# KiCad board smoothiev2-prime.kicad_pcb
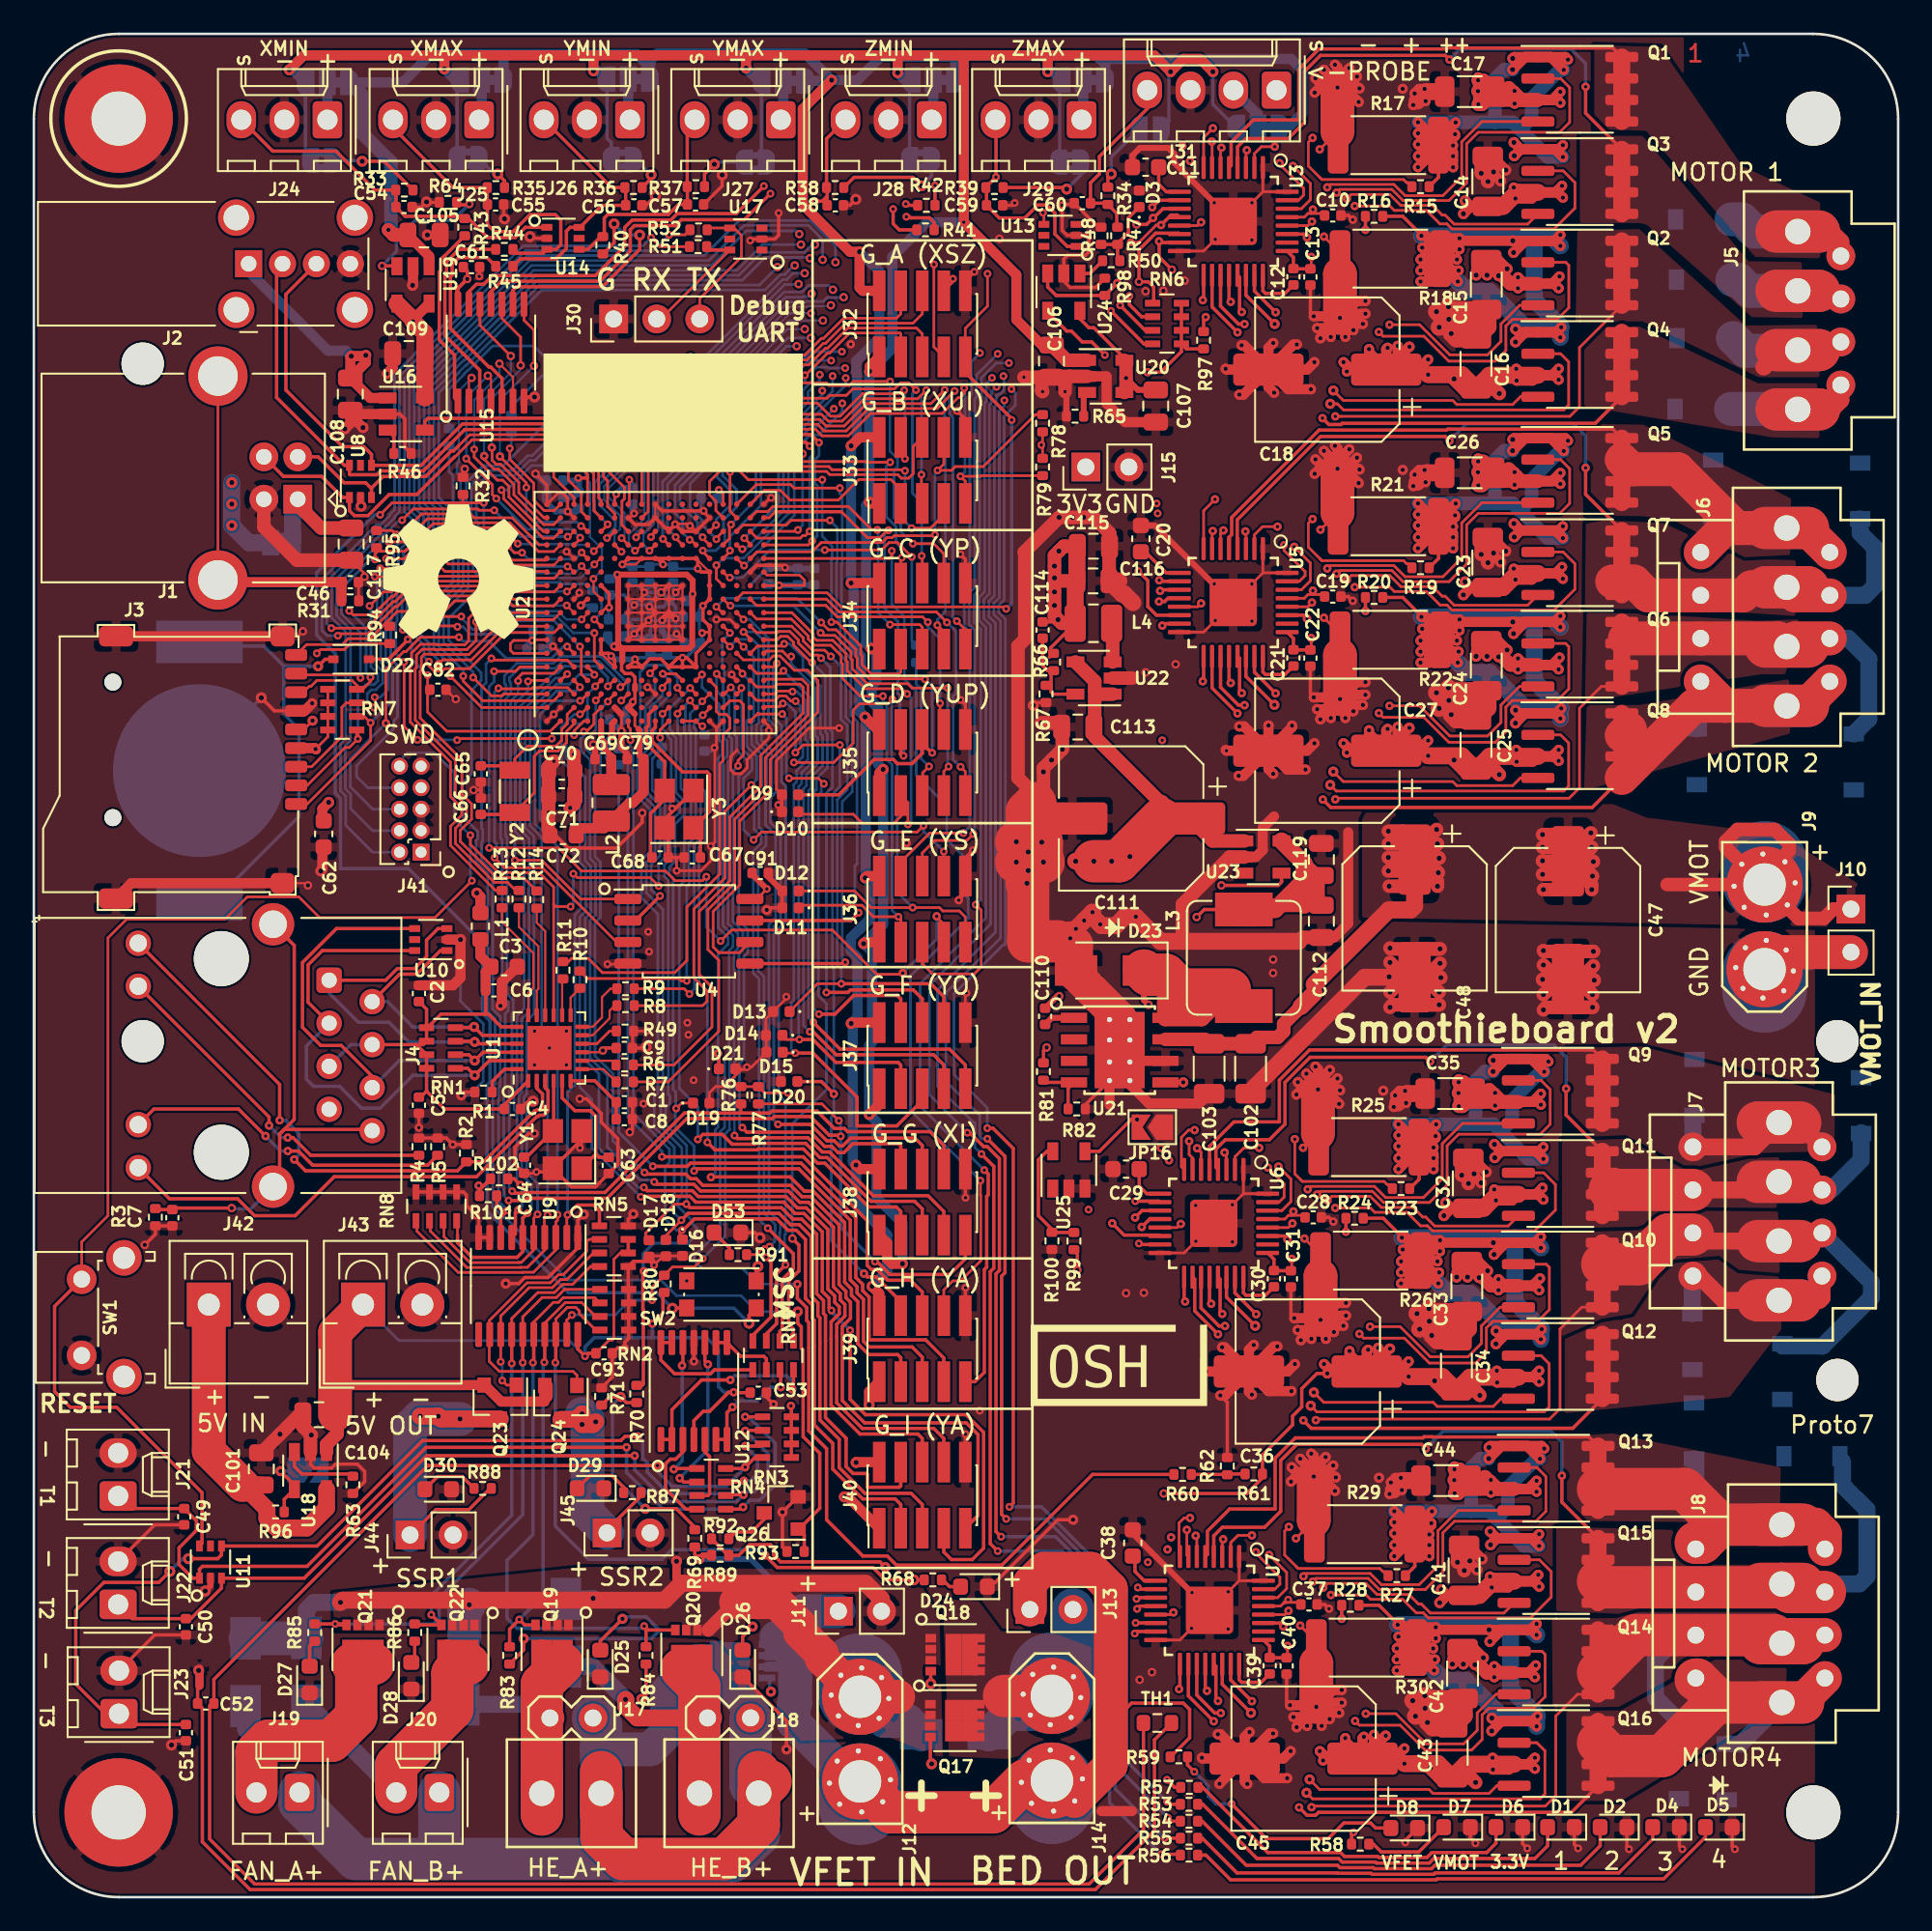
[diagram p0: board, top side]
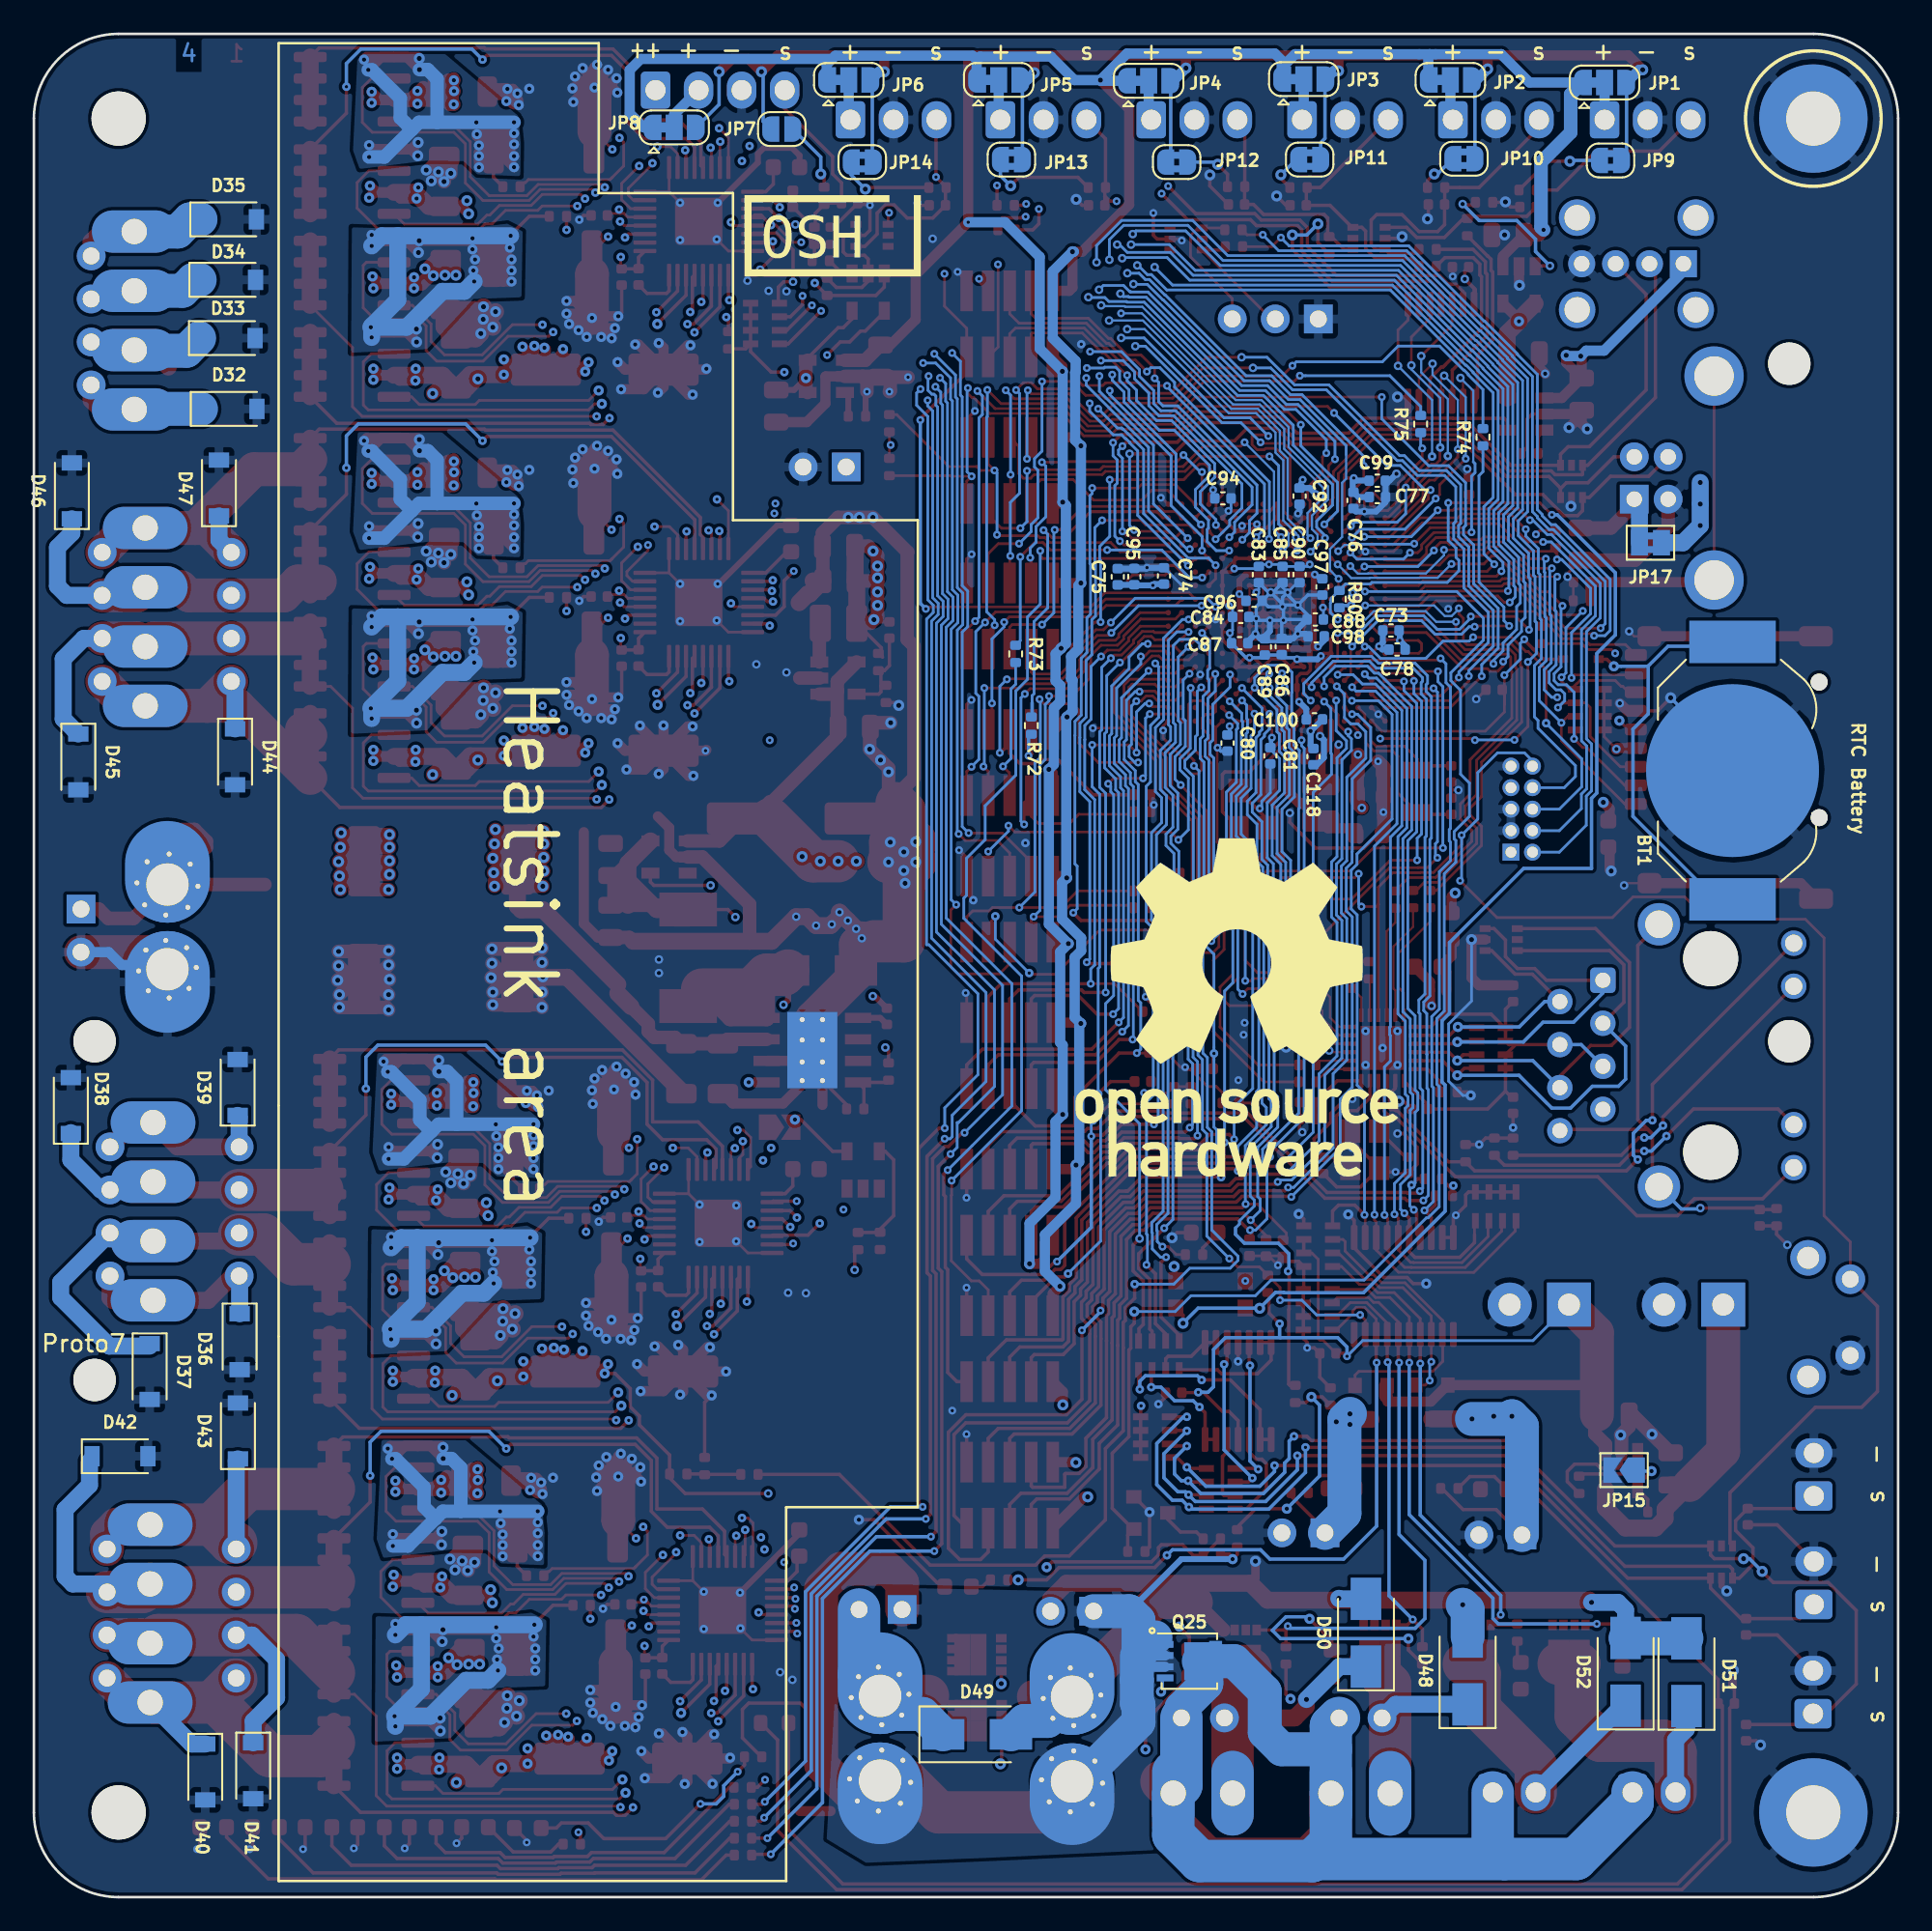
[diagram p1: board, bottom side, seen from below]

Outline 110 x 110 mm; copper layers: Top, In1.Cu (plane), In2.Cu (plane), Bottom. Coordinates in mm from the lower left corner of the outline.
Outline path: 0,105 arc(1.46,108.54) 5,110 105,110 arc(108.54,108.54) 110,105 110,5 arc(108.54,1.46) 105,0 5,0 arc(1.46,1.46) 0,5 0,105

## Placement (name value [footprint] x y rotation side)
BT1  DNP  [BatteryHolder_LINX_BAT-HLD-012-SMT]  9.77 66.5 90 bottom
C1  470p  [C_0402_1005Metric]  34.84 46.93 0 top
C2  100n  [C_0402_1005Metric]  22.72 53.35 90 top
C3  10u  [C_0603_1608Metric]  27.75 54.93 0 top
C4  100n  [C_0402_1005Metric]  28.24 46.53 0 top
C5  100n  [C_0402_1005Metric]  22.72 46.75 270 top
C6  100n  [C_0402_1005Metric]  27.14 53.53 0 top
C7  DNP  [C_0402_1005Metric]  8.17 40.11 270 top
C8  1u  [C_0402_1005Metric]  34.84 45.93 0 top
C9  100n  [C_0402_1005Metric]  34.84 50.13 0 top
C10  1u  [C_0402_1005Metric]  76.64 99.28 0 top
C11  10u  [C_0603_1608Metric]  65.6 102.13 180 top
C12  100n  [C_0402_1005Metric]  75.32 95.65 90 top
C13  1u  [C_0402_1005Metric]  74.32 95.66 270 top
C14  10u  [C_1206_3216Metric]  85.79 101.29 90 top
C15  10u  [C_1206_3216Metric]  85.7 95.2 270 top
C16  10u  [C_1206_3216Metric]  85.09 90.52 90 top
C17  10u  [C_1206_3216Metric]  84.72 106.59 180 top
C18  CP  [CP_Elec_8x11.9]  76.32 90.18 180 top
C19  1u  [C_0402_1005Metric]  76.64 76.78 0 top
C20  10u  [C_0603_1608Metric]  65.32 80.2 90 top
C21  100n  [C_0402_1005Metric]  75.32 73.15 90 top
C22  1u  [C_0402_1005Metric]  74.32 73.16 270 top
C23  10u  [C_1206_3216Metric]  85.79 78.79 90 top
C24  10u  [C_1206_3216Metric]  85.7 72.7 270 top
C25  10u  [C_1206_3216Metric]  85.09 68.02 90 top
C26  10u  [C_1206_3216Metric]  84.72 84.09 180 top
C27  CP  [CP_Elec_8x11.9]  76.32 67.68 180 top
C28  1u  [C_0402_1005Metric]  75.49 40.13 0 top
C29  10u  [C_0603_1608Metric]  64.45 42.98 180 top
C30  100n  [C_0402_1005Metric]  74.17 36.5 90 top
C31  1u  [C_0402_1005Metric]  73.17 36.51 270 top
C32  10u  [C_1206_3216Metric]  84.64 42.14 90 top
C33  10u  [C_1206_3216Metric]  84.55 36.05 270 top
C34  10u  [C_1206_3216Metric]  83.94 31.37 90 top
C35  10u  [C_1206_3216Metric]  83.57 47.44 180 top
C36  CP  [CP_Elec_8x11.9]  75.17 31.03 180 top
C37  1u  [C_0402_1005Metric]  75.24 17.28 0 top
C38  10u  [C_0603_1608Metric]  64.84 20.91 90 top
C39  100n  [C_0402_1005Metric]  73.92 13.65 90 top
C40  1u  [C_0402_1005Metric]  72.92 13.66 270 top
C41  10u  [C_1206_3216Metric]  84.39 19.29 90 top
C42  10u  [C_1206_3216Metric]  84.3 13.2 270 top
C43  10u  [C_1206_3216Metric]  83.69 8.52 90 top
C44  10u  [C_1206_3216Metric]  83.32 24.59 180 top
C45  CP  [CP_Elec_8x11.9]  74.92 8.18 180 top
C46  DNP  [C_0402_1005Metric]  18.67 77.63 0 top
C47  CP  [CP_Elec_8x11.9]  90.52 57.68 270 top
C48  CP  [CP_Elec_8x11.9]  81.47 57.78 270 top
C49  1u  [C_0402_1005Metric]  8.87 22.46 270 top
C50  1u  [C_0402_1005Metric]  8.97 15.96 270 top
C51  1u  [C_0402_1005Metric]  8.97 9.71 270 top
C52  1u  [C_0402_1005Metric]  10.14 11.43 180 top
C53  1u  [C_0402_1005Metric]  42.74 29.78 0 top
C54  100n  [C_0402_1005Metric]  21.84 99.78 0 top
C55  100n  [C_0402_1005Metric]  27.24 99.93 0 top
C56  100n  [C_0402_1005Metric]  35.4 99.88 0 top
C57  100n  [C_0402_1005Metric]  39.04 99.93 0 top
C58  100n  [C_0402_1005Metric]  47.29 99.88 0 top
C59  100n  [C_0402_1005Metric]  56.69 99.88 0 top
C60  100n  [C_0402_1005Metric]  61.86 100 180 top
C61  1u  [C_0402_1005Metric]  25.82 96.23 0 top
C62  10u  [C_0603_1608Metric]  17.1 62.77 270 top
C63  5.6p  [C_0402_1005Metric]  33.92 43.2 270 top
C64  5.6p  [C_0402_1005Metric]  28.92 43.21 270 top
C65  5.6p  [C_0402_1005Metric]  26.37 66.31 270 top
C66  5.6p  [C_0402_1005Metric]  26.37 64.4 90 top
C67  5.6p  [C_0402_1005Metric]  38.85 61.38 180 top
C68  5.6p  [C_0402_1005Metric]  36.95 61.38 0 top
C69  220p  [C_0402_1005Metric]  33.59 67.18 180 top
C70  10u  [C_0603_1608Metric]  31.14 66.48 180 top
C71  10u  [C_0603_1608Metric]  31.14 64.95 180 top
C72  10u  [C_0603_1608Metric]  31.22 62.68 180 top
C73  1u  [C_0402_1005Metric]  29.92 74.78 0 bottom
C74  1u  [C_0402_1005Metric]  43.32 78 90 bottom
C75  1u  [C_0402_1005Metric]  46.05 77.95 90 bottom
C76  1u  [C_0402_1005Metric]  32.14 82.46 270 bottom
C77  1u  [C_0402_1005Metric]  30.73 82.66 180 bottom
C78  1u  [C_0402_1005Metric]  29.57 73.66 0 bottom
C79  1u  [C_0402_1005Metric]  35.49 67.18 180 top
C80  1u  [C_0402_1005Metric]  39.57 68.14 270 bottom
C81  100n  [C_0402_1005Metric]  37.05 67.39 270 bottom
C82  1u  [C_0402_1005Metric]  23.84 71.28 0 top
C83  1u  [C_0402_1005Metric]  37.72 78.08 270 bottom
C84  1u  [C_0402_1005Metric]  38.79 75.58 180 bottom
C85  1u  [C_0402_1005Metric]  36.32 78.08 270 bottom
C86  1u  [C_0402_1005Metric]  36.37 73.83 90 bottom
C87  1u  [C_0402_1005Metric]  38.85 74.03 180 bottom
C88  1u  [C_0402_1005Metric]  34.39 75.43 0 bottom
C89  1u  [C_0402_1005Metric]  37.37 73.81 90 bottom
C90  1u  [C_0402_1005Metric]  35.32 78.08 270 bottom
C91  1u  [C_0402_1005Metric]  42.86 60.46 0 top
C92  1u  [C_0402_1005Metric]  35.32 82.71 270 bottom
C93  1u  [C_0402_1005Metric]  33.64 32.11 0 top
C94  1u  [C_0402_1005Metric]  39.84 82.58 180 bottom
C95  1u  [C_0402_1005Metric]  45.07 77.96 90 bottom
C96  1u  [C_0402_1005Metric]  38 76.53 180 bottom
C97  1u  [C_0402_1005Metric]  33.97 77.35 270 bottom
C98  1u  [C_0402_1005Metric]  34.34 74.43 0 bottom
C99  1u  [C_0402_1005Metric]  30.73 83.62 180 bottom
C100  1u  [C_0402_1005Metric]  34.44 69.53 180 bottom
C101  22u  [C_0805_2012Metric]  13.42 25.28 90 top
C102  10u  [C_1206_3216Metric]  71.8 48.91 270 top
C103  10u  [C_1206_3216Metric]  69.35 48.91 270 top
C104  22u  [C_0805_2012Metric]  16.82 28.48 180 top
C105  22u  [C_0805_2012Metric]  23.02 98.13 0 top
C106  22u  [C_0805_2012Metric]  60.05 90.68 270 top
C107  22u  [C_0805_2012Metric]  66.2 88.03 270 top
C108  22u  [C_0805_2012Metric]  18.67 88.73 270 top
C109  22u  [C_0805_2012Metric]  22.12 91.13 180 top
C110  10n  [C_0402_1005Metric]  59.67 52 270 top
C111  CP  [CP_Elec_8x11.9]  64.74 63.68 180 top
C112  22u  [C_0805_2012Metric]  75.97 57.61 270 top
C113  22u  [C_0805_2012Metric]  61.6 69.08 180 top
C114  22p  [C_0402_1005Metric]  59.52 74.81 90 top
C115  22u  [C_0805_2012Metric]  62.52 79.75 0 top
C116  22u  [C_0805_2012Metric]  62.49 77.7 0 top
C117  22u  [C_0805_2012Metric]  18.72 79.88 270 top
C118  1u  [C_0402_1005Metric]  34.49 67.33 90 bottom
C119  22u  [C_0805_2012Metric]  75.97 61.26 90 top
D1  LED  [LED_0603_1608Metric]  90.11 4.13 180 top
D2  LED  [LED_0603_1608Metric]  93.21 4.13 180 top
D3  LESD8D3.3CAT5G  [D_0402_1005Metric]  65.22 100.27 90 top
D4  LED  [LED_0603_1608Metric]  96.31 4.13 180 top
D5  LED  [LED_0603_1608Metric]  99.42 4.13 180 top
D6  LED  [LED_0603_1608Metric]  87.06 4.13 180 top
D7  LED  [LED_0603_1608Metric]  83.97 4.13 180 top
D8  LED  [LED_0603_1608Metric]  80.86 4.08 180 top
D9  LESD8D3.3CAT5G  [D_0402_1005Metric]  44.62 65.08 180 top
D10  LESD8D3.3CAT5G  [D_0402_1005Metric]  44.62 64.08 0 top
D11  LESD8D3.3CAT5G  [D_0402_1005Metric]  44.64 58.41 180 top
D12  LESD8D3.3CAT5G  [D_0402_1005Metric]  44.64 59.41 180 top
D13  LESD8D3.3CAT5G  [D_0402_1005Metric]  44.11 52.28 180 top
D14  LESD8D3.3CAT5G  [D_0402_1005Metric]  43.68 50.88 180 top
D15  LESD8D3.3CAT5G  [D_0402_1005Metric]  43.7 49.88 180 top
D16  LESD8D3.3CAT5G  [D_0402_1005Metric]  38.27 38.34 270 top
D17  LESD8D3.3CAT5G  [D_0402_1005Metric]  36.3 38.3 270 top
D18  LESD8D3.3CAT5G  [D_0402_1005Metric]  37.3 38.32 270 top
D19  LESD8D3.3CAT5G  [D_0402_1005Metric]  39.38 46.88 0 top
D20  LESD8D3.3CAT5G  [D_0402_1005Metric]  44.57 48.15 180 top
D21  LESD8D3.3CAT5G  [D_0402_1005Metric]  40.91 48.9 0 top
D22  B5817WS  [D_SOD-323]  18.72 73.08 180 top
D23  B340A  [D_SMA]  63.49 54.7 180 top
D24  LED  [LED_0603_1608Metric]  55.47 18.33 180 top
D25  LED  [LED_0603_1608Metric]  33.42 13.79 90 top
D26  LED  [LED_0603_1608Metric]  41.82 13.79 90 top
D27  LED  [LED_0603_1608Metric]  16.27 12.84 90 top
D28  LED  [LED_0603_1608Metric]  22.27 13.07 90 top
D29  LED  [LED_0603_1608Metric]  32.84 24.13 180 top
D30  LED  [LED_0603_1608Metric]  23.86 24.08 180 top
D32  SJD12C30L01  [D_SOD-123]  98.49 87.86 180 bottom
D33  SJD12C30L01  [D_SOD-123]  98.6 92.04 180 bottom
D34  SJD12C30L01  [D_SOD-123]  98.57 95.48 180 bottom
D35  SJD12C30L01  [D_SOD-123]  98.52 99.05 180 bottom
D36  SJD12C30L01  [D_SOD-123]  97.86 32.79 270 bottom
D37  SJD12C30L01  [D_SOD-123]  103.17 31.03 270 bottom
D38  SJD12C30L01  [D_SOD-123]  107.82 46.73 90 bottom
D39  SJD12C30L01  [D_SOD-123]  97.98 47.8 90 bottom
D40  SJD12C30L01  [D_SOD-123]  99.89 7.39 270 bottom
D41  SJD12C30L01  [D_SOD-123]  97.06 7.46 270 bottom
D42  SJD12C30L01  [D_SOD-123]  104.92 26.03 180 bottom
D43  SJD12C30L01  [D_SOD-123]  97.96 27.52 90 bottom
D44  SJD12C30L01  [D_SOD-123]  98.13 67.32 270 bottom
D45  SJD12C30L01  [D_SOD-123]  107.38 67.02 270 bottom
D46  SJD12C30L01  [D_SOD-123]  107.76 83.02 90 bottom
D47  SJD12C30L01  [D_SOD-123]  99.08 83.19 90 bottom
D48  B340A  [D_SMA]  25.4 13.38 90 bottom
D49  B340A  [D_SMA]  54.35 9.61 180 bottom
D50  B340A  [D_SMA]  31.4 15.61 90 bottom
D51  B340A  [D_SMA]  12.49 13.28 90 bottom
D52  B340A  [D_SMA]  16.08 13.3 90 bottom
D53  LED  [LED_0603_1608Metric]  40.92 39.23 180 top
H1  MountingHole  [MountingHole_3.2mm_M3]  105 105 0 top
H2  MountingHole  [MountingHole_3.2mm_M3]  105 5 0 top
H3  MountingHole_Pad  [MountingHole_3.2mm_M3_Pad]  5 105 0 top
H4  MountingHole_Pad  [MountingHole_3.2mm_M3_Pad]  5 5 0 top
H5  MountingHole  [Stencil8_2.5mm]  6.42 90.53 0 top
H6  MountingHole  [Stencil8_2.5mm]  6.42 50.53 0 top
H7  MountingHole  [Stencil8_2.5mm]  106.42 50.53 0 top
H8  MountingHole  [Stencil8_2.5mm]  106.42 30.53 0 top
J1  USB_B  [USB_B_OST_USB-B1HSxx_Horizontal]  15.57 82.53 180 top
J2  USB_A  [USB_A_Wuerth_614004134726_Horizontal]  12.67 96.43 0 top
J3  Micro_SD_Card_Det  [TF-01A]  8.42 66.78 0 top
J4  -  [RJ45_Hanrun_HR911105A]  17.42 54.13 270 top
J5  Screw_Terminal_01x04  [CONN_MOTOR]  106.62 93.08 90 top
J6  Screw_Terminal_01x04  [CONN_MOTOR2]  105.97 75.58 90 top
J7  Screw_Terminal_01x04  [CONN_MOTOR2]  105.51 40.48 90 top
J8  Screw_Terminal_01x04  [CONN_MOTOR2]  105.68 16.74 90 top
J9  Conn_01x02  [XT30]  102.12 57.28 90 top
J10  Conn_01x02  [PinHeader_1x02_P2.54mm_Vertical]  107.22 58.33 0 top
J11  Conn_01x02  [PinHeader_1x02_P2.54mm_Vertical]  47.47 16.88 90 top
J12  Conn_01x02  [XT30]  48.74 9.33 270 top
J13  Conn_01x02  [PinHeader_1x02_P2.54mm_Vertical]  58.77 16.98 90 top
J14  Conn_01x02  [XT30]  60.07 9.38 270 top
J15  Conn_01x02  [PinHeader_1x02_P2.54mm_Vertical]  62.07 84.43 90 top
J17  Conn_01x02  [CONN_SFET]  31.72 10.57 180 top
J18  Conn_01x02  [CONN_SFET]  41.02 10.58 180 top
J19  Conn_01x02  [Molex_KK-254_AE-6410-02A_1x02_P2.54mm_Vertical]  15.67 6.18 180 top
J20  Conn_01x02  [Molex_KK-254_AE-6410-02A_1x02_P2.54mm_Vertical]  23.92 6.18 180 top
J21  Conn_01x02  [Molex_KK-254_AE-6410-02A_1x02_P2.54mm_Vertical]  4.97 23.68 90 top
J22  Conn_01x02  [Molex_KK-254_AE-6410-02A_1x02_P2.54mm_Vertical]  4.97 17.28 90 top
J23  Conn_01x02  [Molex_KK-254_AE-6410-02A_1x02_P2.54mm_Vertical]  5.02 10.83 90 top
J24  Conn_01x03  [Molex_KK-254_AE-6410-03A_1x03_P2.54mm_Vertical]  17.32 104.93 180 top
J25  Conn_01x03  [Molex_KK-254_AE-6410-03A_1x03_P2.54mm_Vertical]  26.27 104.93 180 top
J26  Conn_01x03  [Molex_KK-254_AE-6410-03A_1x03_P2.54mm_Vertical]  35.17 104.93 180 top
J27  Conn_01x03  [Molex_KK-254_AE-6410-03A_1x03_P2.54mm_Vertical]  44.07 104.93 180 top
J28  Conn_01x03  [Molex_KK-254_AE-6410-03A_1x03_P2.54mm_Vertical]  52.97 104.93 180 top
J29  Conn_01x03  [Molex_KK-254_AE-6410-03A_1x03_P2.54mm_Vertical]  61.82 104.93 180 top
J30  Conn_01x03_Male  [PinHeader_1x03_P2.54mm_Vertical]  34.21 93.17 90 top
J31  Conn_01x04  [Molex_KK-254_AE-6410-04A_1x04_P2.54mm_Vertical]  73.32 106.68 180 top
J32  Conn_02x05_Odd_Even  [PinHeader_2x05_P1.27mm_Vertical_SMD]  52.42 92.88 90 top
J33  Conn_02x05_Odd_Even  [PinHeader_2x05_P1.27mm_Vertical_SMD]  52.42 84.23 90 top
J34  Conn_02x05_Odd_Even  [PinHeader_2x05_P1.27mm_Vertical_SMD]  52.42 75.63 90 top
J35  Conn_02x05_Odd_Even  [PinHeader_2x05_P1.27mm_Vertical_SMD]  52.42 66.98 90 top
J36  Conn_02x05_Odd_Even  [PinHeader_2x05_P1.27mm_Vertical_SMD]  52.42 58.33 90 top
J37  Conn_02x05_Odd_Even  [PinHeader_2x05_P1.27mm_Vertical_SMD]  52.42 49.68 90 top
J38  Conn_02x05_Odd_Even  [PinHeader_2x05_P1.27mm_Vertical_SMD]  52.42 41.03 90 top
J39  Conn_02x05_Odd_Even  [PinHeader_2x05_P1.27mm_Vertical_SMD]  52.42 32.38 90 top
J40  Conn_02x05_Odd_Even  [PinHeader_2x05_P1.27mm_Vertical_SMD]  52.42 23.73 90 top
J41  Conn_ARM_JTAG_SWD_10  [PinHeader_2x05_P1.27mm_Vertical]  22.84 61.69 180 top
J42  Conn_01x02  [TerminalBlock_4Ucon_1x02_P3.50mm_Vertical]  10.32 34.98 0 top
J43  Conn_01x02  [TerminalBlock_4Ucon_1x02_P3.50mm_Vertical]  19.42 34.98 0 top
J44  Conn_01x02  [PinHeader_1x02_P2.54mm_Vertical]  22.2 21.38 90 top
J45  Conn_01x02  [PinHeader_1x02_P2.54mm_Vertical]  33.82 21.5 90 top
JP1  SolderJumper_3_Bridged12  [SolderJumper-3_P1.3mm_Bridged12_RoundedPad1.0x1.5mm]  17.32 107.13 180 bottom
JP2  SolderJumper_3_Bridged12  [SolderJumper-3_P1.3mm_Bridged12_RoundedPad1.0x1.5mm]  26.42 107.28 180 bottom
JP3  SolderJumper_3_Bridged12  [SolderJumper-3_P1.3mm_Bridged12_RoundedPad1.0x1.5mm]  35.07 107.33 180 bottom
JP4  SolderJumper_3_Bridged12  [SolderJumper-3_P1.3mm_Bridged12_RoundedPad1.0x1.5mm]  44.22 107.23 180 bottom
JP5  SolderJumper_3_Bridged12  [SolderJumper-3_P1.3mm_Bridged12_RoundedPad1.0x1.5mm]  53.07 107.28 180 bottom
JP6  SolderJumper_3_Bridged12  [SolderJumper-3_P1.3mm_Bridged12_RoundedPad1.0x1.5mm]  61.92 107.28 180 bottom
JP7  SolderJumper_2_Bridged  [SolderJumper-2_P1.3mm_Open_RoundedPad1.0x1.5mm]  65.87 104.38 180 bottom
JP8  SolderJumper_3_Bridged12  [SolderJumper-3_P1.3mm_Bridged12_RoundedPad1.0x1.5mm]  72.22 104.48 180 bottom
JP9  SolderJumper_2_Bridged  [SolderJumper-2_P1.3mm_Bridged2Bar_RoundedPad1.0x1.5mm]  16.97 102.53 0 bottom
JP10  SolderJumper_2_Bridged  [SolderJumper-2_P1.3mm_Bridged2Bar_RoundedPad1.0x1.5mm]  25.62 102.63 0 bottom
JP11  SolderJumper_2_Bridged  [SolderJumper-2_P1.3mm_Bridged2Bar_RoundedPad1.0x1.5mm]  34.72 102.58 0 bottom
JP12  SolderJumper_2_Bridged  [SolderJumper-2_P1.3mm_Bridged2Bar_RoundedPad1.0x1.5mm]  42.57 102.43 180 bottom
JP13  SolderJumper_2_Bridged  [SolderJumper-2_P1.3mm_Bridged2Bar_RoundedPad1.0x1.5mm]  52.32 102.58 0 bottom
JP14  SolderJumper_2_Bridged  [SolderJumper-2_P1.3mm_Bridged2Bar_RoundedPad1.0x1.5mm]  61.12 102.43 0 bottom
JP15  SolderJumper_2_Open  [SolderJumper-2_P1.3mm_Open_TrianglePad1.0x1.5mm]  16.17 25.21 0 bottom
JP16  SolderJumper_2_Open  [SolderJumper-2_P1.3mm_Open_TrianglePad1.0x1.5mm]  65.99 45.45 180 top
JP17  SolderJumper_2_Bridged  [SolderJumper-2_P1.3mm_Bridged2Bar_Pad1.0x1.5mm]  14.61 79.96 180 bottom
L1  CBG160808U601T  [L_0603_1608Metric]  26.34 57.32 90 top
L2  MHCD252012A-2R2M-A8S  [L_1008_2520Metric]  34.07 64.61 90 top
L3  YSPI0630A-220M  [L_Sumida_CDMC6D28_7.25x6.5mm]  71.39 55.45 270 top
L4  MHCD252012A-2R2M-A8S  [L_1008_2520Metric]  62.52 75.2 0 top
LOGO1  Logo_Open_Hardware_Small  [OSHW-Logo_19x20mm_SilkScreen]  39.05 52.53 180 bottom
LOGO2  Logo_Open_Hardware_Small  [OSHW-Symbol_8.9x8mm_SilkScreen]  25.05 78.23 0 top
LOGO3  Logo_Open_Hardware_Small  [OSHW_Dual_0.25_Scale]  62.87 98.39 180 bottom
LOGO4  Logo_Open_Hardware_Small  [OSHW_Dual_0.25_Scale]  64.02 31.7 0 top
NT1  Net-Tie_2  [NetTie-2_SMD_Pad2.0mm]  76.92 105.53 90 top
NT2  Net-Tie_2  [NetTie-2_SMD_Pad2.0mm]  77.07 94.53 270 top
NT3  Net-Tie_2  [NetTie-2_SMD_Pad2.0mm]  76.92 83.03 90 top
NT4  Net-Tie_2  [NetTie-2_SMD_Pad2.0mm]  77.07 72.03 270 top
NT5  Net-Tie_2  [NetTie-2_SMD_Pad2.0mm]  75.77 46.38 90 top
NT6  Net-Tie_2  [NetTie-2_SMD_Pad2.0mm]  75.92 35.38 270 top
NT7  Net-Tie_2  [NetTie-2_SMD_Pad2.0mm]  75.52 23.53 90 top
NT8  Net-Tie_2  [NetTie-2_SMD_Pad2.0mm]  75.67 12.53 270 top
NT9  Net-Tie_2  [NetTie-2_SMD_Pad0.5mm]  37.92 19.33 270 top
NT11  Net-Tie_2  [NetTie-2_SMD_Pad0.5mm]  9.77 12.98 90 top
Q1  Si4542DY  [SOIC-8_3.9x4.9mm_P1.27mm]  91.22 106.73 0 top
Q2  Si4542DY  [SOIC-8_3.9x4.9mm_P1.27mm]  91.22 95.88 0 top
Q3  Si4542DY  [SOIC-8_3.9x4.9mm_P1.27mm]  91.22 101.28 0 top
Q4  Si4542DY  [SOIC-8_3.9x4.9mm_P1.27mm]  91.22 90.48 0 top
Q5  Si4542DY  [SOIC-8_3.9x4.9mm_P1.27mm]  91.22 84.23 0 top
Q6  Si4542DY  [SOIC-8_3.9x4.9mm_P1.27mm]  91.22 73.38 0 top
Q7  Si4542DY  [SOIC-8_3.9x4.9mm_P1.27mm]  91.22 78.78 0 top
Q8  Si4542DY  [SOIC-8_3.9x4.9mm_P1.27mm]  91.22 67.98 0 top
Q9  Si4542DY  [SOIC-8_3.9x4.9mm_P1.27mm]  90.07 47.58 0 top
Q10  Si4542DY  [SOIC-8_3.9x4.9mm_P1.27mm]  90.07 36.73 0 top
Q11  Si4542DY  [SOIC-8_3.9x4.9mm_P1.27mm]  90.07 42.13 0 top
Q12  Si4542DY  [SOIC-8_3.9x4.9mm_P1.27mm]  90.07 31.33 0 top
Q13  Si4542DY  [SOIC-8_3.9x4.9mm_P1.27mm]  89.82 24.73 0 top
Q14  Si4542DY  [SOIC-8_3.9x4.9mm_P1.27mm]  89.82 13.88 0 top
Q15  Si4542DY  [SOIC-8_3.9x4.9mm_P1.27mm]  89.82 19.28 0 top
Q16  Si4542DY  [SOIC-8_3.9x4.9mm_P1.27mm]  89.82 8.48 0 top
Q17  WSD3066DN33  [VSON-8_3.3x3.3mm_P0.65mm_NexFET]  54.33 10.42 0 top
Q18  WSD3066DN33  [VSON-8_3.3x3.3mm_P0.65mm_NexFET]  54.36 14.31 0 top
Q19  WSD3066DN33  [VSON-8_3.3x3.3mm_P0.65mm_NexFET]  30.57 14.63 270 top
Q20  WSD3066DN33  [VSON-8_3.3x3.3mm_P0.65mm_NexFET]  38.82 14.33 270 top
Q21  WSD3066DN33  [VSON-8_3.3x3.3mm_P0.65mm_NexFET]  19.42 14.63 270 top
Q22  WSD3066DN33  [VSON-8_3.3x3.3mm_P0.65mm_NexFET]  25.02 14.63 270 top
Q23  CJ2301 S1  [SOT-23]  27.52 29.23 270 top
Q24  CJ2301 S1  [SOT-23]  31.1 29.2 270 top
Q25  WSD30L40DN  [Vishay_PowerPAK_1212-8_Single]  41.82 13.93 180 bottom
Q26  2N7002  [SOT-23]  44.1 22.68 180 top
R1  12.1k  [R_0402_1005Metric]  26.53 47.53 180 top
R2  10k  [R_0402_1005Metric]  25.52 43.92 90 top
R3  DNP  [R_0402_1005Metric]  7.17 40.14 270 top
R4  1k  [R_0402_1005Metric]  22.72 44.31 270 top
R5  1k  [R_0402_1005Metric]  23.82 44.31 270 top
R6  33R  [R_0402_1005Metric]  34.86 49.13 0 top
R7  33R  [R_0402_1005Metric]  34.86 48.13 0 top
R8  33R  [R_0402_1005Metric]  34.91 52.63 0 top
R9  33R  [R_0402_1005Metric]  34.91 53.63 0 top
R10  33R  [R_0402_1005Metric]  32.22 54.17 90 top
R11  33R  [R_0402_1005Metric]  31.22 54.72 90 top
R12  33R  [R_0402_1005Metric]  28.62 58.92 90 top
R13  33R  [R_0402_1005Metric]  27.62 58.92 90 top
R14  33R  [R_0402_1005Metric]  29.67 58.89 90 top
R15  47R  [R_0402_1005Metric]  81.82 100.98 180 top
R16  47R  [R_0402_1005Metric]  79.08 99.23 180 top
R17  R  [R_2512_6332Metric]  79.92 103.43 180 top
R18  R  [R_2512_6332Metric]  80.03 96.73 180 top
R19  47R  [R_0402_1005Metric]  81.82 78.48 180 top
R20  47R  [R_0402_1005Metric]  79.08 76.73 180 top